# Altium PCB ZJUD_MainBoard-V3.PcbDoc (part 2 of 2)
Units mil, origin at the board's own origin, x right, y up, seen from the top; angles counter-clockwise.
Board outline 3937.01 x 4131.27 mil, 2 copper layers (Top Layer, Bottom Layer), stack 65.792 mil thick; 40 components, 72 nets, 311 pads, 246 vias.
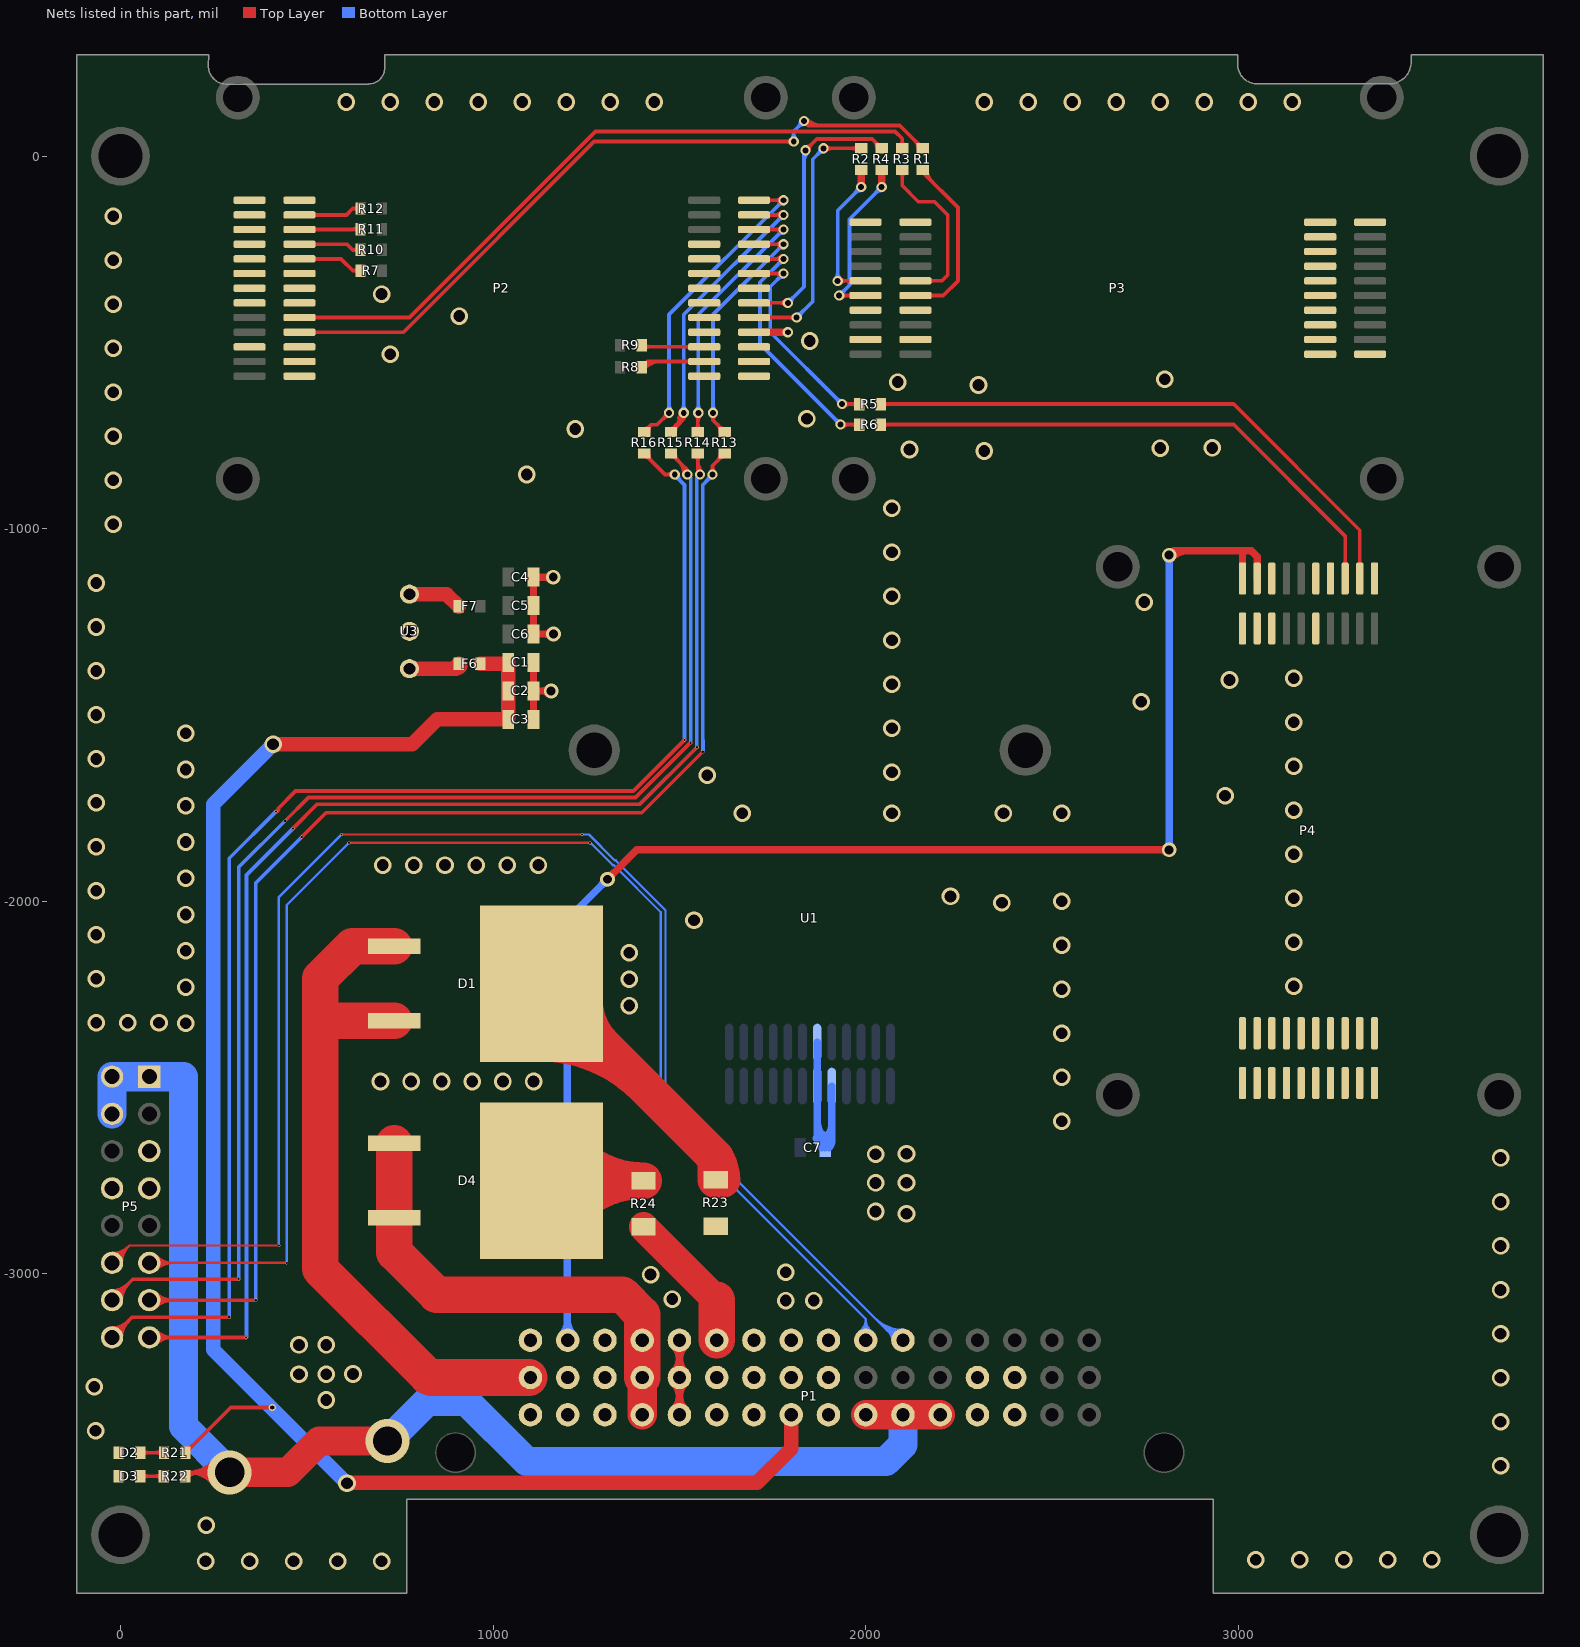
[diagram p2: the nets of this part, all layers, seen from the top]

## Via types
v1: diameter 47.24, hole 31.5, Top Layer to Bottom Layer, 157 vias
v2: diameter 27.56, hole 15.75, Top Layer to Bottom Layer, 49 vias
v3: diameter 8, hole 6, Top Layer to Bottom Layer, 24 vias
v4: diameter 39.37, hole 23.62, Top Layer to Bottom Layer, 13 vias
v5: diameter 118.11, hole 78.74, Top Layer to Bottom Layer, 2 vias
v6: diameter 19.68, hole 11.81, Top Layer to Bottom Layer, 1 vias

## Nets (pads, with @x,y where several pads share a name; then routed paths per layer and width w, separated by ;. In a path a pad name is that pad's centre, name@x,y a point inside that pad or via, vN(x,y) a via of type N, cw(c..) or ccw(c..) an arc to the next point about the centre after c; other vN are vias at no path point) (continued)
DGND: C1.1 C2.1 C3.1 C4.1 C5.1 C6.1 C7.1 D2.1 D3.1 P1.3 P1.5 P1.9 P1.19 P1.21 P1.25 P1.29 P1.30 P1.35 P1.37 P1.41 P1.45 P1.46 P2.2 P2.5 P2.11 P2.13 P2.16 P2.25 P2.26 P2.31 P2.32 P2.37 P2.38 P2.43 P2.44 P2.49 P3.3 P3.4 P3.7 P3.8 P3.19 P3.20 P3.21 P3.22 P3.23 P3.25 P3.27 P3.29 P3.31 P3.33 P3.35 P3.37 P3.39 P3.40 P4.2 P4.4 P4.5 P4.6 P4.11 P4.12 P4.13 P4.19 P4.21 P4.22 P4.23 P4.24 P4.25 P4.26 P4.27 P4.28 P4.29 P4.30 P4.31 P4.32 P4.33 P4.34 P4.35 P4.36 P4.37 P4.38 P4.39 P4.40 P5.5 P5.7 P5.8 U1.13 U1.14 U1.15 U3.2 | length 2615.5
  Top Layer w19.68: C3.1@1108.5,-1511.81 C2.1@1108.5,-1435.43 ; C1.1@1108.5,-1359.06 C2.1@1108.5,-1435.43 ; v4(1155.91,-1435.43) C2.1@1108.5,-1435.43 ; v4(1161.42,-1129.92) C4.1@1108.5,-1129.92 C5.1@1108.5,-1206.3 C6.1@1108.5,-1282.68 v4(1162.2,-1282.68) ; P1.37@1500.39,-3378.54 P1.21@1500.39,-3278.54 P1.5@1500.39,-3178.54 ; P2.38@1700.79,-472.44 v2(1791.34,-472.44) ; 1132.14,-1435.43 ccw(c1132.14,-1411.67) 1148.95,-1428.47 cw(c1132.14,-1411.67) 1132.14,-1435.43 ; 1132.14,-1435.43 cw(c1132.14,-1459.2) 1148.95,-1442.39 ccw(c1132.14,-1459.2) 1132.14,-1435.43 ; 1137.66,-1129.92 ccw(c1137.66,-1106.16) 1154.46,-1122.96 cw(c1137.66,-1106.16) 1137.66,-1129.92 ; 1137.66,-1129.92 cw(c1137.66,-1153.68) 1154.46,-1136.88 ccw(c1137.66,-1153.68) 1137.66,-1129.92 ; 1138.44,-1282.68 ccw(c1138.44,-1258.92) 1155.24,-1275.72 cw(c1138.44,-1258.92) 1138.44,-1282.68 ; 1138.44,-1282.68 cw(c1138.44,-1306.44) 1155.24,-1289.64 ccw(c1138.44,-1306.44) 1138.44,-1282.68 ; 1500.39,-3330.82 ccw(c1448.12,-3330.82) 1485.08,-3293.85 cw(c1448.12,-3330.82) 1500.39,-3330.82 ; 1500.39,-3330.82 cw(c1552.67,-3330.82) 1515.71,-3293.85 ccw(c1552.67,-3330.82) 1500.39,-3330.82 ; 1500.39,-3326.27 ccw(c1552.67,-3326.27) 1515.71,-3363.23 cw(c1552.67,-3326.27) 1500.39,-3326.27 ; 1500.39,-3326.27 cw(c1448.12,-3326.27) 1485.08,-3363.23 ccw(c1448.12,-3326.27) 1500.39,-3326.27 ; 1500.39,-3230.82 ccw(c1448.12,-3230.82) 1485.08,-3193.85 cw(c1448.12,-3230.82) 1500.39,-3230.82 ; 1500.39,-3230.82 cw(c1552.67,-3230.82) 1515.71,-3193.85 ccw(c1552.67,-3230.82) 1500.39,-3230.82 ; 1500.39,-3226.27 ccw(c1552.67,-3226.27) 1515.71,-3263.23 cw(c1552.67,-3226.27) 1500.39,-3226.27 ; 1500.39,-3226.27 cw(c1448.12,-3226.27) 1485.08,-3263.23 ccw(c1448.12,-3226.27) 1500.39,-3226.27
  Bottom Layer w19.68: 1867.65,-2636.09 ccw(c1885.59,-2625.73) C7.1@1890.55,-2645.84 ; U1.14@1870.08,-2377.95 U1.13@1870.08,-2496.06 1870.08,-2639.54 ; 1882.89,-2624.45 cw(c1853.67,-2641.32) C7.1@1886.26,-2650.05 ; C7.1@1897.67,-2650.05 cw(c1930.25,-2641.32) 1901.04,-2624.45 ; U1.15@1909.45,-2496.06 1909.45,-2643.93 ; 1870.08,-2639.54 ccw(c1886.26,-2623.35) 1890.79,-2645.79 cw(c1886.26,-2623.35) 1870.08,-2639.54 ; 1870.08,-2639.54 C7.1@1891.96,-2661.42 1909.45,-2643.93 ; 1909.45,-2643.93 cw(c1900.4,-2634.88) 1894.62,-2646.3 ccw(c1900.4,-2634.88) 1909.45,-2643.93 ; 1870.08,-2632.01 ccw(c1911.52,-2632.01) 1882.22,-2661.32 cw(c1911.52,-2632.01) 1870.08,-2632.01 ; 1870.08,-2584.49 ccw(c1959.05,-2584.49) 1896.14,-2647.4 cw(c1959.05,-2584.49) 1870.08,-2584.49 ; C7.1@1887.79,-2647.4 ccw(c1835.48,-2595.1) 1909.45,-2595.1 cw(c1835.48,-2595.1) C7.1@1887.79,-2647.4 ; C7.1@1901.7,-2661.32 ccw(c1883.01,-2642.62) 1909.45,-2642.62 cw(c1883.01,-2642.62) C7.1@1901.7,-2661.32
  other v1: 228.35,-3771.65 346.46,-3771.65 464.57,-3771.65 582.68,-3771.65 700.79,-3771.65 3047.24,-3767.72 3165.35,-3767.72 3283.46,-3767.72 3401.57,-3767.72 3519.69,-3767.72 230,-3675 3704.72,-3515.75 -66.93,-3421.26 3704.72,-3397.64 552,-3339 -70.87,-3303.15 3704.72,-3279.53 479,-3270 552,-3270 624,-3269 479,-3191 552,-3191 3704.72,-3161.42 1786,-3072 1861,-3072 1481,-3068 3704.72,-3043.31 1423,-3002.17 1786,-2996 3704.72,-2925.2 2110,-2839 2027,-2833 3704.72,-2807.09 2027,-2756.08 2110,-2756 3704.72,-2688.98 2027,-2679.17 2110,-2678 2526.87,-2590.55 697.8,-2484 780,-2484 862.2,-2484 944.4,-2484 1026.6,-2484 1108.8,-2484 2526.87,-2472.44 2526.87,-2354.33 175,-2327.87 -65,-2326.11 19.09,-2326.11 103.17,-2326.11 1366,-2280.17 2526.87,-2236.22 175,-2230.51 3149.61,-2228.35 1366,-2209.17 -65,-2208.07 1366,-2138.17 175,-2133.15 2526.87,-2118.11 3149.61,-2110.24 -65,-2090.02 1539.37,-2051.18 175,-2035.79 2366,-2004 2526.87,-2000 3149.61,-1992.13 2228,-1987 -65,-1971.98 175,-1938.43 703.84,-1903.01 787.44,-1903.01 871.04,-1903.01 954.64,-1903.01 1038.24,-1903.01 1121.84,-1903.01 3149.61,-1874.02 -65,-1853.93 175,-1841.07 1669.29,-1763.78 2070.87,-1763.78 2370.08,-1763.78 2526.87,-1763.78 3149.61,-1755.91 175,-1743.72 -65,-1735.89 2965.19,-1717.02 1574.8,-1661.42 2070.87,-1653.54 175,-1646.36 3149.61,-1637.8 -65,-1617.85 175,-1549 2070.87,-1535.43 3149.61,-1519.68 -65,-1499.8 2740.16,-1464.57 2070.87,-1417.32 2977,-1406 3149.61,-1401.57 -65,-1381.76 2070.87,-1299.21 -65,-1263.71 2748.03,-1196.85 2070.87,-1181.1 -65,-1145.67 2070.87,-1062.99 -19.68,-988.19 2070.87,-944.88 -19.68,-870.08 1090.55,-854.33 2318.9,-791.34 2118.11,-787.4 2791.34,-783.46 2931,-783 -19.68,-751.97 1220.47,-732.28 1842.52,-704.72 -19.68,-633.86 2303.15,-614.17 2086.61,-606.3 2803.15,-598.43 724.41,-531.5 -19.68,-515.75 1850.39,-496.06 909.45,-429.13 -19.68,-397.64 700.79,-370.08 -19.68,-279.53 -19.68,-161.42 605.89,145.67 724,145.67 842.11,145.67 960.22,145.67 1078.33,145.67 1196.44,145.67 1314.55,145.67 1432.66,145.67 2318.9,145.67 2437.01,145.67 2555.12,145.67 2673.23,145.67 2791.34,145.67 2909.45,145.67 3027.56,145.67 3145.67,145.67
I2C1_SCL: P2.4
I2C1_SDA: P2.6
LED_UP+: P1.10 P5.11 | length 4286.9
  Top Layer w6.3: P5.11@77.29,-2970.79 v3@446,-2970.79 ; P5.11@87.36,-2980.86 cw(c111.69,-3005.19) 111.69,-2970.79 cw(c111.69,-2936.38) P5.11@87.36,-2960.71 ; P5.11@91.82,-2985.32 cw(c126.9,-3020.4) 126.9,-2970.79 cw(c126.9,-2921.17) P5.11@91.82,-2956.26 ; P5.11@96.27,-2989.77 cw(c142.11,-3035.61) 142.11,-2970.79 cw(c142.11,-2905.96) P5.11@96.27,-2951.8 ; v3(613,-1843) v3(1260,-1843)
  Bottom Layer w6.3: v3(446,-2971) 446,-2010 v3(613,-1843) ; v3@1260.81,-1842.19 1321.62,-1902.99 1324.05,-1902.99 1450.39,-2029.33 1450.39,-2571.39 2000.39,-3121.39 ; P1.10@1983.24,-3155.98 ccw(c1956.96,-3121.4) 2000.39,-3121.4 ; P1.10@1987.05,-3160.99 ccw(c1966.61,-3134.1) 2000.39,-3134.1 ccw(c2034.17,-3134.1) P1.10@2013.73,-3160.99 ; P1.10@1990.86,-3166.01 ccw(c1976.26,-3146.79) 2000.39,-3146.79 ccw(c2024.52,-3146.79) P1.10@2009.92,-3166.01 ; P1.10@2000.39,-3178.54 2000.39,-3121.39 ; P1.10@2017.55,-3155.98 cw(c2043.83,-3121.4) 2000.39,-3121.4 ; v3@1260,-1843.85 cw(c1260,-1849.82) 1264.22,-1845.6 ccw(c1260,-1849.82) v3@1260,-1843.85
LED_UP-: P1.11 P5.12 | length 4578.7
  Top Layer w6.3: P5.12@-22.71,-2970.79 24.07,-2924 v3(425,-2924) ; P5.12@-22.71,-2956.53 ccw(c-22.71,-2922.13) 1.62,-2946.46 ccw(c25.95,-2970.79) P5.12@-8.46,-2970.79 ; P5.12@-22.71,-2950.24 ccw(c-22.71,-2900.62) 12.37,-2935.7 ccw(c47.45,-2970.79) P5.12@-2.16,-2970.79 ; P5.12@-22.71,-2943.94 ccw(c-22.71,-2879.11) 23.12,-2924.95 ccw(c68.96,-2970.79) P5.12@4.14,-2970.79 ; v3(593,-1820.97) v3(1238.89,-1820.97)
  Bottom Layer w6.3: v3(425,-2924) 425,-1988.97 v3(593,-1820.97) ; v3(1238.89,-1820.97) 1257.41,-1820.97 1326.83,-1890.39 1329.27,-1890.39 1462.99,-2024.12 1462.99,-2556.99 2084.54,-3178.54 P1.11@2100.39,-3178.54 ; 2024.95,-3118.95 ccw(c2100.39,-3043.5) P1.11@2100.39,-3150.2 ; 2035.7,-3129.7 ccw(c2100.39,-3065) P1.11@2100.39,-3156.5 ; 2046.45,-3140.45 ccw(c2100.39,-3086.51) P1.11@2100.39,-3162.8 ; 2057.21,-3151.21 ccw(c2100.39,-3108.02) P1.11@2100.39,-3169.09 ; 2063.21,-3157.21 cw(c2041.88,-3178.54) P1.11@2072.05,-3178.54 ; 2067.96,-3161.96 ccw(c2100.39,-3129.52) P1.11@2100.39,-3175.39
MOTOR_MODULE_CON1: P3.10 R1.2 | length 554.2
  Top Layer w10: P3.10@2133.86,-374.02 2208.66,-374.02 2248.03,-334.65 2248.03,-137.8 2153.54,-43.31 R1.2@2153.54,-36.84 ; R1.2@2155.28,-36.84 ccw(c2175.06,-36.84) 2161.07,-50.84 ; R1.2@2165.28,-36.84 ccw(c2209.21,-36.84) 2178.14,-67.91 ; 2179.01,-374.02 ccw(c2179.01,-385.71) 2170.75,-377.44 cw(c2179.01,-385.71) 2179.01,-374.02 ; 2179.01,-374.02 cw(c2179.01,-362.32) 2170.75,-370.59 ccw(c2179.01,-362.32) 2179.01,-374.02
MOTOR_MODULE_CON2: P3.12 R3.2 | length 554.4
  Top Layer w10: R3.2@2098.43,-36.84 2098.43,-78.74 2141.73,-122.05 2185.04,-122.05 2220.47,-157.48 2220.47,-318.9 2204.72,-334.65 P3.12@2133.86,-334.65 ; 2098.43,-58.04 ccw(c2077.23,-58.04) 2092.22,-43.05 cw(c2077.23,-58.04) 2098.43,-58.04 ; 2098.43,-58.04 cw(c2119.62,-58.04) 2104.63,-43.05 ccw(c2119.62,-58.04) 2098.43,-58.04 ; 2179.01,-334.65 ccw(c2179.01,-346.34) 2170.75,-338.07 cw(c2179.01,-346.34) 2179.01,-334.65 ; 2179.01,-334.65 cw(c2179.01,-322.95) 2170.75,-331.22 ccw(c2179.01,-322.95) 2179.01,-334.65
MOTOR_MODULE_RX: P3.11 R2.2 | length 568.6
  Top Layer w10: v2(1925.2,-334.65) P3.11@2000,-334.65 ; 1946.39,-334.65 ccw(c1946.39,-355.84) 1931.4,-340.85 cw(c1946.39,-355.84) 1946.39,-334.65 ; 1946.39,-334.65 cw(c1946.39,-313.45) 1931.4,-328.44 ccw(c1946.39,-313.45) 1946.39,-334.65 ; 1954.84,-334.65 ccw(c1954.84,-322.95) 1963.11,-331.22 cw(c1954.84,-322.95) 1954.84,-334.65 ; 1954.84,-334.65 cw(c1954.84,-346.34) 1963.11,-338.07 ccw(c1954.84,-346.34) 1954.84,-334.65
  Top Layer w19.68: v2(1988.19,-82.68) R2.2@1988.19,-36.84
  Bottom Layer w10: v2@1918.99,-328.44 ccw(c1904,-313.45) 1925.2,-313.45 ccw(c1946.39,-313.45) v2@1931.4,-328.44 ; v2(1925.2,-334.65) 1925.2,-145.67 v2(1988.19,-82.68) ; v2@1979.41,-82.68 cw(c1958.21,-82.68) 1973.2,-97.66 cw(c1988.19,-112.65) v2@1988.19,-91.46
MOTOR_MODULE_TX: P3.9 R4.2 | length 625.2
  Top Layer w10: v2(1929.13,-374.02) P3.9@2000,-374.02 ; 1950.33,-374.02 ccw(c1950.33,-395.21) 1935.34,-380.22 cw(c1950.33,-395.21) 1950.33,-374.02 ; 1950.33,-374.02 cw(c1950.33,-352.82) 1935.34,-367.81 ccw(c1950.33,-352.82) 1950.33,-374.02 ; 1954.84,-374.02 ccw(c1954.84,-362.32) 1963.11,-370.59 cw(c1954.84,-362.32) 1954.84,-374.02 ; 1954.84,-374.02 cw(c1954.84,-385.71) 1963.11,-377.44 ccw(c1954.84,-385.71) 1954.84,-374.02
  Top Layer w19.68: v2(2043.31,-82.68) R4.2@2043.31,-36.84
  Bottom Layer w10: v2(1929.13,-374.02) 1956.69,-346.46 1956.69,-169.29 v2(2043.31,-82.68) ; v2@1929.13,-365.24 ccw(c1929.13,-344.04) 1944.12,-359.03 ccw(c1959.11,-374.02) v2@1937.91,-374.02 ; v2@2034.53,-82.68 cw(c2013.33,-82.68) 2028.32,-97.66 cw(c2043.31,-112.65) v2@2043.31,-91.46
NetD1_2: D1.2 R23.1 | length 1240.1
  Top Layer w98.43: D1.2@1130,-2381.79 cw(c1130,-2769.96) 1404.48,-2495.48 ; D1.2@1130,-2221 1598,-2689 R23.1@1598,-2747.99 ; D1.2@1245.79,-2266 ccw(c1416.68,-2266) 1295.84,-2386.84 ; 1584.85,-2675.85 cw(c1512.71,-2747.99) R23.1@1614.73,-2747.99
NetD2_2: D2.2 R21.1 | length 197.3
  Top Layer w10: D2.2@52.6,-3480.31 R21.1@116.7,-3480.31 ; 73.79,-3480.31 ccw(c73.79,-3501.5) 58.81,-3486.52 cw(c73.79,-3501.5) 73.79,-3480.31 ; 73.79,-3480.31 cw(c73.79,-3459.11) 58.81,-3474.1 ccw(c73.79,-3459.11) 73.79,-3480.31 ; 95.52,-3480.31 ccw(c95.52,-3459.13) 110.49,-3474.11 cw(c95.52,-3459.13) 95.52,-3480.31 ; 95.49,-3480.31 cw(c95.49,-3501.53) 110.49,-3486.52 ccw(c95.49,-3501.53) 95.49,-3480.31
NetD3_2: D3.2 R22.1 | length 196.3
  Top Layer w10: D3.2@52.6,-3543.3 R22.1@115.73,-3543.3 ; 73.79,-3543.3 ccw(c73.79,-3564.5) 58.81,-3549.51 cw(c73.79,-3564.5) 73.79,-3543.3 ; 73.79,-3543.3 cw(c73.79,-3522.11) 58.81,-3537.09 ccw(c73.79,-3522.11) 73.79,-3543.3 ; 94.11,-3543.3 ccw(c94.11,-3521.08) 109.82,-3536.79 cw(c94.11,-3521.08) 94.11,-3543.3 ; 95.56,-3543.3 cw(c95.56,-3563.47) 109.82,-3549.21 ccw(c95.56,-3563.47) 95.56,-3543.3
NetD4_2: D4.2 R24.2 | length 699.8
  Top Layer w98.43: D4.2@1130,-2750 R24.2@1404,-2749.99 ; D4.2@1213.04,-2830.7 cw(c1403.98,-3016.26) R24.2@1404,-2749.99 ; D4.2@1213.04,-2669.3 ccw(c1403.98,-2483.74) R24.2@1404,-2749.99
NetF6_1: F6.1 U3.1 | length 171.6
  Top Layer w39.37: U3.1@775.59,-1375.59 894.65,-1375.59 F6.1@908.04,-1362.2 ; F6.1@897.11,-1375.59 ccw(c897.11,-1354.23) 912.22,-1369.33 cw(c897.11,-1354.23) F6.1@897.11,-1375.59
NetF7_1: F7.1 U3.3 | length 146.1
  Top Layer w39.37: U3.3@775.59,-1175.59 874.97,-1175.59 F7.1@908.04,-1208.66
PA8: P2.8 R1.1 | length 2297
  Top Layer w10: P2.8@480.32,-472.44 759.27,-472.44 1271.08,39.37 v2(1807.09,39.37) ; v2@1800.88,33.16 ccw(c1785.89,18.17) 1785.89,39.37 ccw(c1785.89,60.57) v2@1800.88,45.58 ; v2@1833.78,93.63 ccw(c1860.21,120.06) 1860.21,82.68 ; v2(1834.65,94.49) 1846.46,82.68 ; v2@1840.85,100.7 ccw(c1884.36,144.2) 1884.36,82.68 ; R1.1@2138.96,31.75 ccw(c2155.41,36.16) R1.1@2150.22,19.93 ; R1.1@2153.54,21.09 2091.96,82.68 1846.46,82.68 ; 525.47,-472.44 ccw(c525.47,-484.13) 517.2,-475.87 cw(c525.47,-484.13) 525.47,-472.44 ; 525.47,-472.44 cw(c525.47,-460.75) 517.2,-469.02 ccw(c525.47,-460.75) 525.47,-472.44 ; 1846.46,82.68 ccw(c1838.33,74.55) 1836.24,85.85 cw(c1838.33,74.55) 1846.46,82.68 ; 1846.46,82.68 cw(c1854.59,90.81) 1843.28,92.89 ccw(c1854.59,90.81) 1846.46,82.68 ; 2133.52,41.12 cw(c2113.49,21.09) 2141.81,21.09 ccw(c2113.49,21.09) 2133.52,41.12 ; R1.1@2140.64,33.99 ccw(c2150.59,43.94) 2150.59,29.87 cw(c2150.59,43.94) R1.1@2140.64,33.99
  Bottom Layer w10: v2@1800.88,45.58 ccw(c1785.89,60.57) 1807.09,60.57 ccw(c1828.28,60.57) v2@1813.29,45.58 ; v2(1807.09,39.37) 1807.09,66.93 v2(1834.65,94.49) ; v2@1825.87,94.49 cw(c1804.67,94.49) 1819.66,79.5 cw(c1834.65,64.51) v2@1834.65,85.71
PA10: P2.14
PB8: P2.10 R3.1 | length 1962.4
  Top Layer w10: P2.10@480.32,-433.07 775.59,-433.07 1275.04,66.38 2079.29,66.38 2098.43,47.24 R3.1@2098.43,21.09 ; 525.47,-433.07 ccw(c525.47,-444.76) 517.2,-436.49 cw(c525.47,-444.76) 525.47,-433.07 ; 525.47,-433.07 cw(c525.47,-421.38) 517.2,-429.65 ccw(c525.47,-421.38) 525.47,-433.07 ; 2098.43,42.29 ccw(c2119.62,42.29) 2104.63,27.3 cw(c2119.62,42.29) 2098.43,42.29 ; 2098.43,42.29 cw(c2077.23,42.29) 2092.22,27.3 ccw(c2077.23,42.29) 2098.43,42.29
PB9: P2.12
PC2: P2.15
SPI1_CS: P2.17
SPI1_MISO: P2.21
SPI1_MOSI: P2.23
SPI1_SCK: P2.19
SPI2_CS: P2.18 R7.1 | length 277.9
  Top Layer w10: P2.18@480.32,-275.59 592.08,-275.59 623.58,-307.09 ; R7.1@644.26,-307.09 623.58,-307.09 ; 525.47,-275.59 ccw(c525.47,-287.28) 517.2,-279.01 cw(c525.47,-287.28) 525.47,-275.59 ; 525.47,-275.59 cw(c525.47,-263.9) 517.2,-272.17 ccw(c525.47,-263.9) 525.47,-275.59 ; 623.58,-307.09 ccw(c623.58,-287.12) 637.94,-300.99 cw(c623.58,-287.12) 623.58,-307.09 ; 623.58,-307.09 cw(c623.58,-327.06) 637.94,-313.19 ccw(c623.58,-327.06) 623.58,-307.09
SPI2_MISO: P2.22 R11.1 | length 265.2
  Top Layer w10: P2.22@480.32,-196.85 622.64,-196.85 623.58,-195.91 ; R11.1@644.26,-195.91 623.58,-195.91 ; 525.47,-196.85 ccw(c525.47,-208.54) 517.2,-200.27 cw(c525.47,-208.54) 525.47,-196.85 ; 525.47,-196.85 cw(c525.47,-185.16) 517.2,-193.43 ccw(c525.47,-185.16) 525.47,-196.85 ; 623.58,-195.91 ccw(c623.58,-175.94) 637.94,-189.81 cw(c623.58,-175.94) 623.58,-195.91 ; 623.58,-195.91 cw(c623.58,-215.88) 637.94,-202.01 ccw(c623.58,-215.88) 623.58,-195.91
SPI2_MOSI: P2.24 R12.1 | length 271.9
  Top Layer w10: P2.24@480.32,-157.48 606.42,-157.48 623.58,-140.32 ; R12.1@644.26,-140.32 623.58,-140.32 ; 525.47,-157.48 ccw(c525.47,-169.17) 517.2,-160.9 cw(c525.47,-169.17) 525.47,-157.48 ; 525.47,-157.48 cw(c525.47,-145.79) 517.2,-154.06 ccw(c525.47,-145.79) 525.47,-157.48 ; 623.58,-140.32 ccw(c623.58,-120.35) 637.94,-134.22 cw(c623.58,-120.35) 623.58,-140.32 ; 623.58,-140.32 cw(c623.58,-160.29) 637.94,-146.42 ccw(c623.58,-160.29) 623.58,-140.32
SPI2_SCK: P2.20 R10.1 | length 271.1
  Top Layer w10: P2.20@480.32,-236.22 608.3,-236.22 623.58,-251.5 ; R10.1@644.26,-251.5 623.58,-251.5 ; 525.47,-236.22 ccw(c525.47,-247.91) 517.2,-239.64 cw(c525.47,-247.91) 525.47,-236.22 ; 525.47,-236.22 cw(c525.47,-224.53) 517.2,-232.8 ccw(c525.47,-224.53) 525.47,-236.22 ; 623.58,-251.5 ccw(c623.58,-231.53) 637.94,-245.4 cw(c623.58,-231.53) 623.58,-251.5 ; 623.58,-251.5 cw(c623.58,-271.47) 637.94,-257.6 ccw(c623.58,-271.47) 623.58,-251.5
UART4_RX: P2.35 R9.1 | length 272.8
  Top Layer w10: R9.1@1399.05,-507.87 1402.98,-511.81 P2.35@1566.93,-511.81 ; 1521.77,-511.81 ccw(c1521.77,-500.12) 1530.04,-508.39 cw(c1521.77,-500.12) 1521.77,-511.81 ; 1521.77,-511.81 cw(c1521.77,-523.5) 1530.04,-515.24 ccw(c1521.77,-523.5) 1521.77,-511.81 ; R9.1@1405.26,-517.03 cw(c1417.87,-529.65) 1417.87,-511.81 ccw(c1417.87,-529.65) R9.1@1405.26,-517.03 ; R9.1@1405.26,-504.62 ccw(c1422.62,-487.26) 1422.62,-511.81 cw(c1422.62,-487.26) R9.1@1405.26,-504.62
UART4_TX: P2.33 R8.1 | length 346.6
  Top Layer w10: R8.1@1398.18,-563.11 cw(c1426.99,-591.92) 1426.99,-551.18 ; R8.1@1399.05,-566.93 1414.8,-551.18 ; R8.1@1405.26,-570.18 cw(c1451.13,-616.06) 1451.13,-551.18 ; P2.33@1566.93,-551.18 1414.8,-551.18 ; 1414.79,-551.18 cw(c1403.91,-540.3) 1400.81,-555.38 ccw(c1403.91,-540.3) 1414.79,-551.18 ; 1521.77,-551.18 ccw(c1521.77,-539.49) 1530.04,-547.76 cw(c1521.77,-539.49) 1521.77,-551.18 ; 1521.77,-551.18 cw(c1521.77,-562.87) 1530.04,-554.61 ccw(c1521.77,-562.87) 1521.77,-551.18 ; R8.1@1407.83,-563.98 cw(c1421.89,-563.98) 1411.95,-554.03 ccw(c1421.89,-563.98) R8.1@1407.83,-563.98
UART5_RX: P2.41
UART5_TX: P2.39
USART1_RX: P2.34
USART1_TX: P2.36
USART2_RX: P2.42 R4.1 | length 1087
  Top Layer w10: P2.42@1700.79,-393.7 v2(1791.34,-393.7) ; v2@1785.13,-399.91 ccw(c1770.14,-414.9) 1770.14,-393.7 ccw(c1770.14,-372.51) v2@1785.13,-387.49 ; v2@1837.38,15.99 cw(c1851.45,13.11) 1847.73,26.97 ; v2(1838.58,15.74) 1869.01,46.17 2018.23,46.17 R4.1@2043.31,21.09 ; v2@1838.82,14.54 ccw(c1835.94,28.61) 1849.81,24.89 ; R4.1@2028.72,31.75 ccw(c2045.17,36.16) R4.1@2039.98,19.93 ; 1745.94,-393.7 ccw(c1745.94,-405.39) 1737.68,-397.12 cw(c1745.94,-405.39) 1745.94,-393.7 ; 1745.94,-393.7 cw(c1745.94,-382.01) 1737.68,-390.28 ccw(c1745.94,-382.01) 1745.94,-393.7 ; 1853.57,30.73 ccw(c1868.55,15.74) 1847.36,15.74 cw(c1868.55,15.74) 1853.57,30.73 ; 1853.57,30.73 cw(c1838.58,45.72) 1838.58,24.52 ccw(c1838.58,45.72) 1853.57,30.73 ; 2023.28,41.12 cw(c2003.25,21.09) 2031.57,21.09 ccw(c2003.25,21.09) 2023.28,41.12 ; R4.1@2030.41,33.99 ccw(c2040.35,43.94) 2040.35,29.87 cw(c2040.35,43.94) R4.1@2030.41,33.99
  Bottom Layer w10: v2(1791.34,-393.7) 1834.65,-350.39 1834.65,11.81 v2(1838.58,15.74) ; v2@1791.34,-384.92 ccw(c1791.34,-363.73) 1806.33,-378.71 ccw(c1821.31,-393.7) v2@1800.12,-393.7 ; 1834.65,-14.95 cw(c1869.27,-14.95) 1844.79,9.53 ccw(c1869.27,-14.95) 1834.65,-14.95
USART2_TX: P2.40 R2.1 | length 935.7
  Top Layer w10: P2.40@1700.79,-433.07 v2(1814.96,-433.07) ; v2@1808.75,-439.28 ccw(c1793.77,-454.27) 1793.77,-433.07 ccw(c1793.77,-411.88) v2@1808.75,-426.86 ; v2(1887.24,21.09) R2.1@1988.19,21.09 ; v2@1893.44,14.89 cw(c1908.43,-0.1) 1908.43,21.09 cw(c1908.43,42.29) v2@1893.44,27.3 ; 1745.94,-433.07 ccw(c1745.94,-444.76) 1737.68,-436.5 cw(c1745.94,-444.76) 1745.94,-433.07 ; 1745.94,-433.07 cw(c1745.94,-421.38) 1737.68,-429.65 ccw(c1745.94,-421.38) 1745.94,-433.07 ; 1964.04,21.09 ccw(c1964.04,42.29) 1979.03,27.3 cw(c1964.04,42.29) 1964.04,21.09 ; 1964.04,21.09 cw(c1964.04,-0.1) 1979.03,14.89 ccw(c1964.04,-0.1) 1964.04,21.09
  Bottom Layer w10: v2(1814.96,-433.07) 1858.27,-389.76 1858.27,-7.87 v2(1887.24,21.09) ; v2@1814.96,-424.29 ccw(c1814.96,-403.1) 1829.95,-418.08 ccw(c1844.94,-433.07) v2@1823.74,-433.07 ; v2@1878.46,21.09 cw(c1857.26,21.09) 1872.25,6.11 cw(c1887.24,-8.88) v2@1887.24,12.32
USART3_RX: P2.48 R6.1 | length 1025.6
  Top Layer w10: P2.48@1700.79,-275.59 v2(1779.53,-275.59) ; v2(1933.07,-720.47) R6.1@1982.84,-720.47 ; 1745.94,-275.59 ccw(c1745.94,-287.28) 1737.68,-279.01 cw(c1745.94,-287.28) 1745.94,-275.59 ; 1745.94,-275.59 cw(c1745.94,-263.9) 1737.68,-272.17 ccw(c1745.94,-263.9) 1745.94,-275.59 ; 1758.33,-275.59 ccw(c1758.33,-254.39) 1773.32,-269.38 cw(c1758.33,-254.39) 1758.33,-275.59 ; 1758.33,-275.59 cw(c1758.33,-296.79) 1773.32,-281.8 ccw(c1758.33,-296.79) 1758.33,-275.59 ; 1954.27,-720.47 ccw(c1954.27,-741.67) 1939.28,-726.68 cw(c1954.27,-741.67) 1954.27,-720.47 ; 1954.27,-720.47 cw(c1954.27,-699.28) 1939.28,-714.26 ccw(c1954.27,-699.28) 1954.27,-720.47 ; 1961.65,-720.47 ccw(c1961.65,-699.28) 1976.63,-714.26 cw(c1961.65,-699.28) 1961.65,-720.47 ; 1961.65,-720.47 cw(c1961.65,-741.67) 1976.63,-726.68 ccw(c1961.65,-741.67) 1961.65,-720.47
  Bottom Layer w10: v2(1779.53,-275.59) 1716.54,-338.58 1716.54,-503.94 v2(1933.07,-720.47) ; v2@1924.29,-720.47 ccw(c1903.1,-720.47) 1918.08,-705.48 ccw(c1933.07,-690.5) v2@1933.07,-711.69 ; 1764.54,-290.58 ccw(c1749.55,-275.59) 1770.75,-275.59 cw(c1749.55,-275.59) 1764.54,-290.58 ; 1764.54,-290.58 cw(c1779.53,-305.57) 1779.53,-284.37 ccw(c1779.53,-305.57) 1764.54,-290.58
USART3_TX: P2.46 R5.1 | length 872.6
  Top Layer w10: P2.46@1700.79,-314.96 v2(1779.53,-314.96) ; v2(1937.01,-665.35) R5.1@1982.84,-665.35 ; 1745.94,-314.96 ccw(c1745.94,-326.65) 1737.68,-318.38 cw(c1745.94,-326.65) 1745.94,-314.96 ; 1745.94,-314.96 cw(c1745.94,-303.27) 1737.68,-311.54 ccw(c1745.94,-303.27) 1745.94,-314.96 ; 1758.33,-314.96 ccw(c1758.33,-293.76) 1773.32,-308.75 cw(c1758.33,-293.76) 1758.33,-314.96 ; 1758.33,-314.96 cw(c1758.33,-336.16) 1773.32,-321.17 ccw(c1758.33,-336.16) 1758.33,-314.96 ; 1958.2,-665.35 ccw(c1958.2,-686.55) 1943.22,-671.56 cw(c1958.2,-686.55) 1958.2,-665.35 ; 1958.2,-665.35 cw(c1958.2,-644.16) 1943.22,-659.15 ccw(c1958.2,-644.16) 1958.2,-665.35 ; 1961.65,-665.35 ccw(c1961.65,-644.16) 1976.63,-659.15 cw(c1961.65,-644.16) 1961.65,-665.35 ; 1961.65,-665.35 cw(c1961.65,-686.55) 1976.63,-671.56 ccw(c1961.65,-686.55) 1961.65,-665.35
  Bottom Layer w10: v2@1770.75,-314.96 cw(c1749.55,-314.96) 1764.54,-329.95 cw(c1779.53,-344.94) v2@1779.53,-323.74 ; v2(1779.53,-314.96) 1744.09,-350.39 1744.09,-472.44 v2(1937.01,-665.35) ; v2@1928.23,-665.35 ccw(c1907.03,-665.35) 1922.02,-650.37 ccw(c1937.01,-635.38) v2@1937.01,-656.57
USART6_RX: P2.47
USART6_TX: P2.45
USB2_+5V: P5.13 R13.2 | length 3895.1
  Top Layer w10: P5.13@77.29,-3070.79 77.5,-3071 v3(363,-3071) ; P5.13@87.89,-3081.39 cw(c112.99,-3106.49) 112.99,-3071 ; P5.13@87.89,-3060.18 ccw(c114.01,-3034.06) 114.01,-3071 ; P5.13@94.96,-3088.46 cw(c137.13,-3130.63) 137.13,-3071 ; P5.13@94.96,-3053.11 ccw(c138.16,-3009.92) 138.16,-3071 ; v3(486.41,-1827.79) 551.93,-1762.27 1399.15,-1762.27 v3(1562.99,-1598.43) ; v2(1589.33,-854.33) 1589.33,-830.81 R13.2@1622.05,-798.09 ; 1602.02,-818.12 ccw(c1581.99,-798.09) R13.2@1610.32,-798.09 ; R13.2@1609.15,-810.99 cw(c1619.09,-820.94) R13.2@1619.09,-806.87 ; 1589.33,-833.13 ccw(c1610.53,-833.13) 1595.54,-848.12 cw(c1610.53,-833.13) 1589.33,-833.13 ; 1589.33,-833.13 cw(c1568.14,-833.13) 1583.12,-848.12 ccw(c1568.14,-833.13) 1589.33,-833.13
  Bottom Layer w10: v3(363,-3071) 363,-1951.2 v3(486.41,-1827.79) ; v3(1562.99,-1598.43) 1562.99,-1594.47 1563.54,-1593.92 1563.54,-1567.48 1562.99,-1566.93 1562.99,-882.28 1589.33,-855.94 v2(1589.33,-854.33) ; 1573.21,-872.06 ccw(c1555.47,-854.33) 1580.55,-854.33 cw(c1555.47,-854.33) 1573.21,-872.06 ; 1577.09,-868.18 cw(c1589.33,-880.42) 1589.33,-863.11 ccw(c1589.33,-880.42) 1577.09,-868.18
USB2_+5V_OUT: P2.50 R13.1 | length 969.8
  Top Layer w10: v2(1590.55,-688.98) 1590.55,-708.66 ; 1602.02,-720.13 cw(c1581.99,-740.16) R13.1@1610.32,-740.16 ; R13.1@1609.15,-727.26 ccw(c1619.09,-717.31) R13.1@1619.09,-731.38 ; R13.1@1622.05,-740.16 1590.55,-708.66 ; P2.50@1700.79,-236.22 v2(1779.53,-236.22) ; 1590.55,-708.66 ccw(c1572.88,-708.66) 1584.69,-695.51 cw(c1572.88,-708.66) 1590.55,-708.66 ; 1590.55,-708.66 cw(c1608.23,-708.66) 1596.42,-695.51 ccw(c1608.23,-708.66) 1590.55,-708.66 ; 1745.94,-236.22 ccw(c1745.94,-247.91) 1737.68,-239.64 cw(c1745.94,-247.91) 1745.94,-236.22 ; 1745.94,-236.22 cw(c1745.94,-224.53) 1737.68,-232.8 ccw(c1745.94,-224.53) 1745.94,-236.22 ; 1758.33,-236.22 ccw(c1758.33,-215.02) 1773.32,-230.01 cw(c1758.33,-215.02) 1758.33,-236.22 ; 1758.33,-236.22 cw(c1758.33,-257.42) 1773.32,-242.43 ccw(c1758.33,-257.42) 1758.33,-236.22
  Bottom Layer w10: v2@1584.34,-682.77 ccw(c1569.36,-667.78) 1590.55,-667.78 ccw(c1611.75,-667.78) v2@1596.76,-682.77 ; v2(1590.55,-688.98) 1590.55,-425.2 v2(1779.53,-236.22) ; 1764.54,-251.21 ccw(c1749.55,-236.22) 1770.75,-236.22 cw(c1749.55,-236.22) 1764.54,-251.21 ; 1764.54,-251.21 cw(c1779.53,-266.2) 1779.53,-245 ccw(c1779.53,-266.2) 1764.54,-251.21
USB2_DM: P5.15 R14.2 | length 3943.7
  Top Layer w10: P5.15@77.29,-3170.79 77.5,-3171 v3(337,-3171) ; P5.15@87.89,-3181.39 cw(c112.99,-3206.49) 112.99,-3171 ; P5.15@87.89,-3160.18 ccw(c114.01,-3134.06) 114.01,-3171 ; P5.15@94.96,-3188.46 cw(c137.13,-3230.63) 137.13,-3171 ; P5.15@94.96,-3153.11 ccw(c138.16,-3109.92) 138.16,-3171 ; v3(463.1,-1804.48) 528.31,-1739.27 1394.59,-1739.27 v3(1547.24,-1586.61) ; R14.2@1549.87,-798.09 1549.87,-848.73 v2(1555.47,-854.33) ; v2@1550.67,-846.98 ccw(c1545.46,-839.03) 1553.69,-834.28 ; 1549.87,-819.29 ccw(c1528.67,-819.29) 1543.66,-804.3 cw(c1528.67,-819.29) 1549.87,-819.29 ; 1549.87,-819.29 cw(c1571.06,-819.29) 1556.08,-804.3 ccw(c1571.06,-819.29) 1549.87,-819.29 ; 1549.87,-819.61 ccw(c1590.2,-819.61) 1561.68,-848.12 cw(c1590.2,-819.61) 1549.87,-819.61
  Bottom Layer w10: v3(337,-3171) 338,-3170 338,-1929.57 v3(463.1,-1804.48) ; v3(1547.24,-1586.61) 1546.69,-1586.06 1546.69,-863.11 v2(1555.47,-854.33)
USB2_DM_OUT: P2.52 R14.1 | length 1086.8
  Top Layer w10: R14.1@1549.87,-740.16 1549.87,-690.29 v2(1551.18,-688.98) ; P2.52@1700.79,-196.85 v2(1779.53,-196.85) ; 1549.87,-718.96 ccw(c1571.06,-718.96) 1556.08,-733.95 cw(c1571.06,-718.96) 1549.87,-718.96 ; 1549.87,-718.96 cw(c1528.67,-718.96) 1543.66,-733.95 ccw(c1528.67,-718.96) 1549.87,-718.96 ; 1745.94,-196.85 ccw(c1745.94,-208.54) 1737.68,-200.27 cw(c1745.94,-208.54) 1745.94,-196.85 ; 1745.94,-196.85 cw(c1745.94,-185.16) 1737.68,-193.43 ccw(c1745.94,-185.16) 1745.94,-196.85 ; 1758.33,-196.85 ccw(c1758.33,-175.65) 1773.32,-190.64 cw(c1758.33,-175.65) 1758.33,-196.85 ; 1758.33,-196.85 cw(c1758.33,-218.05) 1773.32,-203.06 ccw(c1758.33,-218.05) 1758.33,-196.85 ; v2@1544.97,-695.18 cw(c1533.15,-707) 1549.87,-707 ccw(c1533.15,-707) v2@1544.97,-695.18 ; 1549.87,-713.34 cw(c1575.55,-713.34) 1557.39,-695.18 ccw(c1575.55,-713.34) 1549.87,-713.34
  Bottom Layer w10: v2(1551.18,-688.98) 1551.18,-425.2 v2(1779.53,-196.85) ; 1551.18,-667.78 ccw(c1572.38,-667.78) 1557.39,-682.77 cw(c1572.38,-667.78) 1551.18,-667.78 ; 1551.18,-667.78 cw(c1529.99,-667.78) 1544.97,-682.77 ccw(c1529.99,-667.78) 1551.18,-667.78 ; 1764.54,-211.84 ccw(c1749.55,-196.85) 1770.75,-196.85 cw(c1749.55,-196.85) 1764.54,-211.84 ; 1764.54,-211.84 cw(c1779.53,-226.83) 1779.53,-205.63 ccw(c1779.53,-226.83) 1764.54,-211.84
USB2_DP: P5.14 R15.2 | length 3925.7
  Top Layer w10: P5.14@-22.71,-3070.79 33.07,-3015 v3(317,-3015) ; P5.14@-22.71,-3055.79 ccw(c-22.71,-3019.57) 2.89,-3045.18 ccw(c28.5,-3070.79) P5.14@-7.71,-3070.79 ; P5.14@-22.71,-3045.79 ccw(c-22.71,-2985.43) 19.96,-3028.11 ccw(c62.64,-3070.79) P5.14@2.29,-3070.79 ; v3(442.29,-1783.67) 504.68,-1721.27 1382.81,-1721.27 1529.89,-1574.18 v3(1529.89,-1574.27) ; R15.2@1477.69,-798.09 1521.61,-842.02 v2(1521.61,-854.33) ; R15.2@1480.64,-806.87 cw(c1480.64,-820.94) R15.2@1490.59,-810.99 ; R15.2@1489.42,-798.09 ccw(c1517.75,-798.09) 1497.72,-818.12 ; 1497.92,-818.33 cw(c1461.92,-854.33) 1512.83,-854.33 ccw(c1461.92,-854.33) 1497.92,-818.33 ; 1514.99,-835.4 cw(c1496.06,-854.33) 1522.83,-854.33 ccw(c1496.06,-854.33) 1514.99,-835.4
  Bottom Layer w10: v3(317,-3015) 317,-1908.95 v3(442.29,-1783.67) ; v2(1521.61,-854.33) 1530.39,-863.11 1530.39,-1573.68 1529.89,-1574.18 v3(1529.89,-1574.27)
USB2_DP_OUT: P2.54 R15.1 | length 1338.6
  Top Layer w10: R15.1@1477.69,-740.16 1511.81,-706.04 ; R15.1@1478.37,-731.68 ccw(c1472.86,-711.1) 1491.3,-721.75 ; R15.1@1480.64,-731.38 ccw(c1480.64,-717.31) R15.1@1490.59,-727.26 ; R15.1@1489.12,-737.89 cw(c1509.5,-732.43) 1491.23,-721.88 ; R15.1@1489.42,-740.16 cw(c1517.75,-740.16) 1497.72,-720.13 ; 1499.08,-703.71 cw(c1524.2,-710.44) v2@1511.2,-687.92 ; v2@1505.55,-695.13 cw(c1497.36,-703.16) 1508.44,-706.12 cw(c1522.95,-710.01) v2@1515.92,-696.74 ; v2(1511.81,-688.98) 1511.81,-706.04 ; P2.54@1700.79,-157.48 v2(1779.53,-157.48) ; 1511.81,-706.04 ccw(c1499.63,-706.04) 1506.71,-696.12 cw(c1499.63,-706.04) 1511.81,-706.04 ; 1511.81,-706.04 cw(c1524,-706.04) 1516.91,-696.12 ccw(c1524,-706.04) 1511.81,-706.04 ; 1745.94,-157.48 ccw(c1745.94,-169.17) 1737.68,-160.9 cw(c1745.94,-169.17) 1745.94,-157.48 ; 1745.94,-157.48 cw(c1745.94,-145.79) 1737.68,-154.06 ccw(c1745.94,-145.79) 1745.94,-157.48 ; 1758.33,-157.48 ccw(c1758.33,-136.28) 1773.32,-151.27 cw(c1758.33,-136.28) 1758.33,-157.48 ; 1758.33,-157.48 cw(c1758.33,-178.68) 1773.32,-163.69 ccw(c1758.33,-178.68) 1758.33,-157.48 ; R15.1@1484.76,-733.09 ccw(c1440.65,-688.98) 1503.03,-688.98 cw(c1440.65,-688.98) R15.1@1484.76,-733.09 ; 1501.83,-716.02 ccw(c1474.79,-688.98) 1513.03,-688.98 cw(c1474.79,-688.98) 1501.83,-716.02
  Bottom Layer w10: v2(1511.81,-688.98) 1511.81,-425.2 v2(1779.53,-157.48) ; 1511.81,-667.78 ccw(c1533.01,-667.78) 1518.02,-682.77 cw(c1533.01,-667.78) 1511.81,-667.78 ; 1511.81,-667.78 cw(c1490.62,-667.78) 1505.6,-682.77 ccw(c1490.62,-667.78) 1511.81,-667.78 ; 1764.54,-172.47 ccw(c1749.55,-157.48) 1770.75,-157.48 cw(c1749.55,-157.48) 1764.54,-172.47 ; 1764.54,-172.47 cw(c1779.53,-187.46) 1779.53,-166.26 ccw(c1779.53,-187.46) 1764.54,-172.47
USB2_GND: P5.16 R16.2 | length 4060.4
  Top Layer w10: P5.16@-22.71,-3170.79 31.07,-3117 v3(292,-3117) ; P5.16@-22.71,-3155.79 ccw(c-22.71,-3119.57) 2.89,-3145.18 ccw(c28.5,-3170.79) P5.16@-7.71,-3170.79 ; P5.16@-22.71,-3145.79 ccw(c-22.71,-3085.43) 19.96,-3128.11 ccw(c62.64,-3170.79) P5.16@2.29,-3170.79 ; v3(417.68,-1759.06) 423.89,-1752.85 ; v3@417.86,-1760.05 ccw(c416.59,-1752.85) 423.89,-1752.85 ; v3@418.16,-1759.94 ccw(c412.86,-1750.27) 423.89,-1750.27 ; R16.2@1405.51,-798.09 1461.75,-854.33 v2(1487.76,-854.33) ; R16.2@1408.46,-806.87 cw(c1408.46,-820.94) R16.2@1418.41,-810.99 ; R16.2@1417.24,-798.09 ccw(c1445.57,-798.09) 1425.54,-818.12 ; v2@1481.55,-860.54 ccw(c1466.56,-875.53) 1466.56,-854.33 ccw(c1466.56,-833.13) v2@1481.55,-848.12 ; v3(1514.09,-1566.93) 1376.76,-1704.27 469.89,-1704.27 423.89,-1750.27 ; 423.89,-1752.85 423.89,-1750.27
  Bottom Layer w10: v3(292,-3117) 292,-1884.74 v3(417.68,-1759.06) ; v2(1487.76,-854.33) 1487.76,-855.94 1514.09,-882.28 v3(1514.09,-1566.93) ; v2@1487.76,-863.11 cw(c1487.76,-880.42) 1500,-868.18 ccw(c1487.76,-880.42) v2@1487.76,-863.11 ; v2@1496.54,-854.33 ccw(c1521.61,-854.33) 1503.88,-872.06 cw(c1521.61,-854.33) v2@1496.54,-854.33
USB2_GND_OUT: P2.56 R16.1 | length 1067.6
  Top Layer w10: R16.1@1405.51,-740.16 1425.18,-720.49 ; R16.1@1408.46,-731.38 ccw(c1408.46,-717.31) R16.1@1418.41,-727.26 ; R16.1@1417.24,-740.03 cw(c1444.35,-739.66) 1425.18,-720.49 ; v2@1463.66,-688.98 cw(c1442.47,-688.98) 1457.45,-703.96 cw(c1472.44,-718.95) v2@1472.44,-697.76 ; v2(1472.44,-688.98) 1440.93,-720.49 1425.18,-720.49 ; P2.56@1700.79,-118.11 v2(1779.53,-118.11) ; v2@1773.32,-124.32 ccw(c1758.33,-139.31) 1758.33,-118.11 ccw(c1758.33,-96.91) v2@1773.32,-111.9 ; 1745.94,-118.11 ccw(c1745.94,-129.8) 1737.68,-121.53 cw(c1745.94,-129.8) 1745.94,-118.11 ; 1745.94,-118.11 cw(c1745.94,-106.42) 1737.68,-114.69 ccw(c1745.94,-106.42) 1745.94,-118.11
  Bottom Layer w10: v2@1466.23,-682.77 ccw(c1451.25,-667.78) 1472.44,-667.78 ccw(c1493.64,-667.78) v2@1478.65,-682.77 ; v2(1472.44,-688.98) 1472.44,-425.2 v2(1779.53,-118.11) ; v2@1770.75,-118.11 cw(c1749.55,-118.11) 1764.54,-133.1 cw(c1779.53,-148.09) v2@1779.53,-126.89
V_OUT_BF_SW: P1.6 P1.7 P1.22 P1.23 P1.38 P1.39 R23.2 R24.1 | length 385.9
  Top Layer w78.74: R24.1@1404,-2874.01 1600.39,-3070.4
  Top Layer w98.43: P1.6@1600.39,-3178.54 1600.39,-3070.4
V_PC_AF_SW: P1.42 P1.43 P1.44 P5.1 P5.2 P5.4 R22.2 | length 4198.3
  Top Layer w10: R22.2@173.11,-3539.18 cw(c187.39,-3553.47) R22.2@187.39,-3533.27 ; R22.2@173.97,-3543 R22.2@183.7,-3533.27 ; R22.2@180.18,-3546.26 cw(c211.53,-3577.61) 211.53,-3533.27 ; v5@249.9,-3566.04 ccw(c183.71,-3616.51) R22.2@183.71,-3533.27 ; v5@249.9,-3500.5 cw(c183.71,-3450.03) R22.2@183.71,-3533.27 ; v5@257.85,-3559.98 ccw(c203.91,-3601.11) 203.91,-3533.27 ccw(c203.91,-3465.43) v5@257.85,-3506.56 ; v5@265.81,-3553.91 ccw(c224.1,-3585.71) 224.1,-3533.27 ccw(c224.1,-3480.83) v5@265.81,-3512.62 ; v5(292.89,-3533.27) R22.2@183.7,-3533.27
  Top Layer w78.74: v5(292.89,-3533.27) 448.89,-3533.27 533.34,-3448.82 v5(716.54,-3448.82) ; P1.42@2000.39,-3378.54 P1.44@2200.39,-3378.54
  Bottom Layer w78.74: P5.4@-22.71,-2570.79 P5.2@-22.71,-2470.79 P5.1@77.29,-2470.79 ; P5.1@84.4,-2470.85 168.85,-2470.85 168.85,-3409.23 v5(292.89,-3533.27) ; v5(716.54,-3448.82) 822.83,-3342.52 929.13,-3342.52 1090.55,-3503.94 2055.06,-3503.94 2100.39,-3458.61 P1.43@2100.39,-3378.54
V_SUB_AF_SW: C1.2 C2.2 C3.2 F6.2 P1.8 P1.24 P1.40 R21.2 | length 4761.5
  Top Layer w10: R21.2@174.64,-3480.31 295.95,-3359 v6(407,-3359) ; R21.2@174.64,-3468.58 ccw(c174.64,-3440.26) 194.67,-3460.29 ; R21.2@183.42,-3477.36 cw(c197.48,-3477.36) R21.2@187.54,-3467.42 ; 395.31,-3359 ccw(c395.31,-3347.31) 403.58,-3355.58 cw(c395.31,-3347.31) 395.31,-3359 ; 395.31,-3359 cw(c395.31,-3370.69) 403.58,-3362.42 ccw(c395.31,-3370.69) 395.31,-3359
  Top Layer w39.37: v1(409.45,-1578.74) 783.46,-1578.74 850.39,-1511.81 C3.2@1041.12,-1511.81 C2.2@1041.12,-1435.43 C1.2@1041.12,-1359.06 1037.97,-1362.2 F6.2@965.98,-1362.2 ; v1@607.89,-3561.42 1708.58,-3561.42 1800.39,-3469.61 P1.40@1800.39,-3378.54
  Bottom Layer w39.37: v1(409.45,-1578.74) 249,-1739.19 249,-3203.38 v1(607.89,-3562.27)
VBAT1_IN: D1.1 D1.3 P1.1 P1.2 P1.17 P1.18 P1.33 P1.34 P4.1 P4.3 | length 6185.3
  Top Layer w19.68: v4(1307.09,-1940.94) 1385.83,-1862.2 v4(2814.96,-1862.2) ; v4@1307.09,-1931.1 ccw(c1307.09,-1907.34) 1323.89,-1924.14 ccw(c1340.69,-1940.94) v4@1316.93,-1940.94 ; v4@2808,-1869.16 ccw(c2791.2,-1885.97) 2791.2,-1862.2 ccw(c2791.2,-1838.44) v4@2808,-1855.24 ; v4(2814.96,-1070.87) 2826.77,-1059.06 3035.43,-1059.06 3051.18,-1074.8 P4.3@3051.18,-1133.86 ; v4@2821.92,-1077.83 cw(c2867.24,-1123.14) 2867.24,-1059.06 ; P4.1@3011.81,-1133.86 3011.81,-1070.87
  Top Layer w98.43: D1.3@735,-2321 543,-2321 536,-2328 ; D1.1@735,-2121 622,-2121 536,-2207 536,-2328 ; 823.5,-3274.5 536,-2987 536,-2328 ; 833.54,-3278.54 P1.17@1097.39,-3278.54
  Bottom Layer w19.68: P1.2@1185.08,-3163.23 ccw(c1151.48,-3129.63) 1199,-3129.63 ; P1.2@1192,-3171 1199,-3164 1199,-2049.03 v4(1307.09,-1940.94) ; 1199,-3122.9 ccw(c1256.03,-3122.9) P1.2@1215.71,-3163.23 ; v4@1297.24,-1940.94 cw(c1273.48,-1940.94) 1290.28,-1957.75 cw(c1307.09,-1974.55) v4@1307.09,-1950.79 ; v4@2808,-1855.24 ccw(c2791.2,-1838.44) 2814.96,-1838.44 ccw(c2838.72,-1838.44) v4@2821.92,-1855.24 ; v4@2808,-1077.83 cw(c2791.2,-1094.63) 2814.96,-1094.63 cw(c2838.72,-1094.63) v4@2821.92,-1077.83 ; v4(2814.96,-1862.2) v4(2814.96,-1070.87)
VBAT2_IN: D4.1 D4.3 P1.4 P1.20 P1.36 | length 1378.6
  Top Layer w78.74: P1.36@1400.39,-3378.54 P1.20@1400.39,-3278.54
  Top Layer w98.43: D4.1@735,-2650 D4.3@735,-2850 735,-2943 848,-3056 1347,-3056 1400.39,-3109.39 P1.4@1400.39,-3178.54 P1.20@1400.39,-3278.54
  Bottom Layer w19.68: P1.4@1385.08,-3163.23 ccw(c1348.12,-3126.27) 1400.39,-3126.27 ccw(c1452.67,-3126.27) P1.4@1415.71,-3163.23
VOLTAGE_MODULE_RX: P4.17 R5.2 | length 1659.5
  Top Layer w10: R5.2@2040.78,-665.35 2988.19,-665.35 3326.77,-1003.94 P4.17@3326.77,-1133.86 ; 2061.98,-665.35 ccw(c2061.98,-686.55) 2046.99,-671.56 cw(c2061.98,-686.55) 2061.98,-665.35 ; 2061.98,-665.35 cw(c2061.98,-644.16) 2046.99,-659.15 ccw(c2061.98,-644.16) 2061.98,-665.35 ; 3326.77,-1088.7 ccw(c3338.46,-1088.7) 3330.2,-1096.97 cw(c3338.46,-1088.7) 3326.77,-1088.7 ; 3326.77,-1088.7 cw(c3315.08,-1088.7) 3323.35,-1096.97 ccw(c3315.08,-1088.7) 3326.77,-1088.7
VOLTAGE_MODULE_TX: P4.15 R6.2 | length 1588
  Top Layer w10: R6.2@2040.78,-720.47 2988.19,-720.47 3287.4,-1019.68 P4.15@3287.4,-1133.86 ; 2061.98,-720.47 ccw(c2061.98,-741.67) 2046.99,-726.68 cw(c2061.98,-741.67) 2061.98,-720.47 ; 2061.98,-720.47 cw(c2061.98,-699.28) 2046.99,-714.26 ccw(c2061.98,-699.28) 2061.98,-720.47 ; 3287.4,-1088.7 ccw(c3299.09,-1088.7) 3290.83,-1096.97 cw(c3299.09,-1088.7) 3287.4,-1088.7 ; 3287.4,-1088.7 cw(c3275.71,-1088.7) 3283.98,-1096.97 ccw(c3275.71,-1088.7) 3287.4,-1088.7
pads on no net: P1.0 P2.0 P2.7 P2.9 P2.51 P2.53 P2.55 P3.0 P3.5 P3.6 P3.13 P3.14 P3.15 P3.16 P3.17 P3.18 P4.0 P4.7 P4.8 P4.9 P4.10 P4.14 P4.16 P4.18 P4.20 P5.3 P5.6 U1.0 U1.1 U1.2 U1.7 U1.8 U1.9 U1.16 U1.17 U1.18 U1.19 U1.20 U1.21 U1.22 U1.23 U1.24
copper on no net:
  other v1: 966.68,-1614.25 850,-1611 965,-1451 848.32,-1447.75 848.32,-1277.75 965,-1276 965,-1125 848.32,-1014.75 965,-1014

## Polygon pours and split planes (outlines as drawn)
DGND on Top Layer "Mechanical 2-No Net" (solid, remove dead copper, pour order 4): -118.11,-3858.27 3818.9,-3858.27 3818.9,275.59 -118.11,275.59
DGND on Bottom Layer "Mechanical 2-No Net" (solid, remove dead copper, pour order 3): -118.11,-3858.27 3818.9,-3858.27 3818.9,275.59 -118.11,275.59

## Keep-outs
Keep-Out Layer:
  lines w10: 284.74,193.35 665.9,193.35 ; 285.35,193.35 cw(c284.74,242.22) 235.87,242.79 236.22,273 -118.11,273 -118.11,-3858.27 767.72,-3858.27 767.72,-3605.31 2933.07,-3605.31 2933.07,-3857.29 ; 665.93,193.9 ccw(c665.9,237) 709,237 709,273 2999,273 2999,247.25 ccw(c3051.99,247.25) 3052.03,194.26 ; 2933.07,-3858.27 3818.9,-3858.27 3818.9,273 3464.57,273 3464.57,253.21 cw(c3405.62,253.21) 3405.67,194.26 ; 3051.99,194.26 3405.62,194.26

## Other copper
Top Layer:
  rectangle net VBAT1_IN: 1052,-3425 1241,-3136
  rectangle net V_OUT_BF_SW: 1551,-3423 1741,-2839
  rectangle net V_SUB_AF_SW: 1763,-3427 1839,-3133
  rectangle net VBAT2_IN: 1355,-3424 1448,-3135
  rectangle net V_OUT_BF_SW: 1354,-2965 1582,-2840